# KiCad board raven.kicad_pcb (continued)
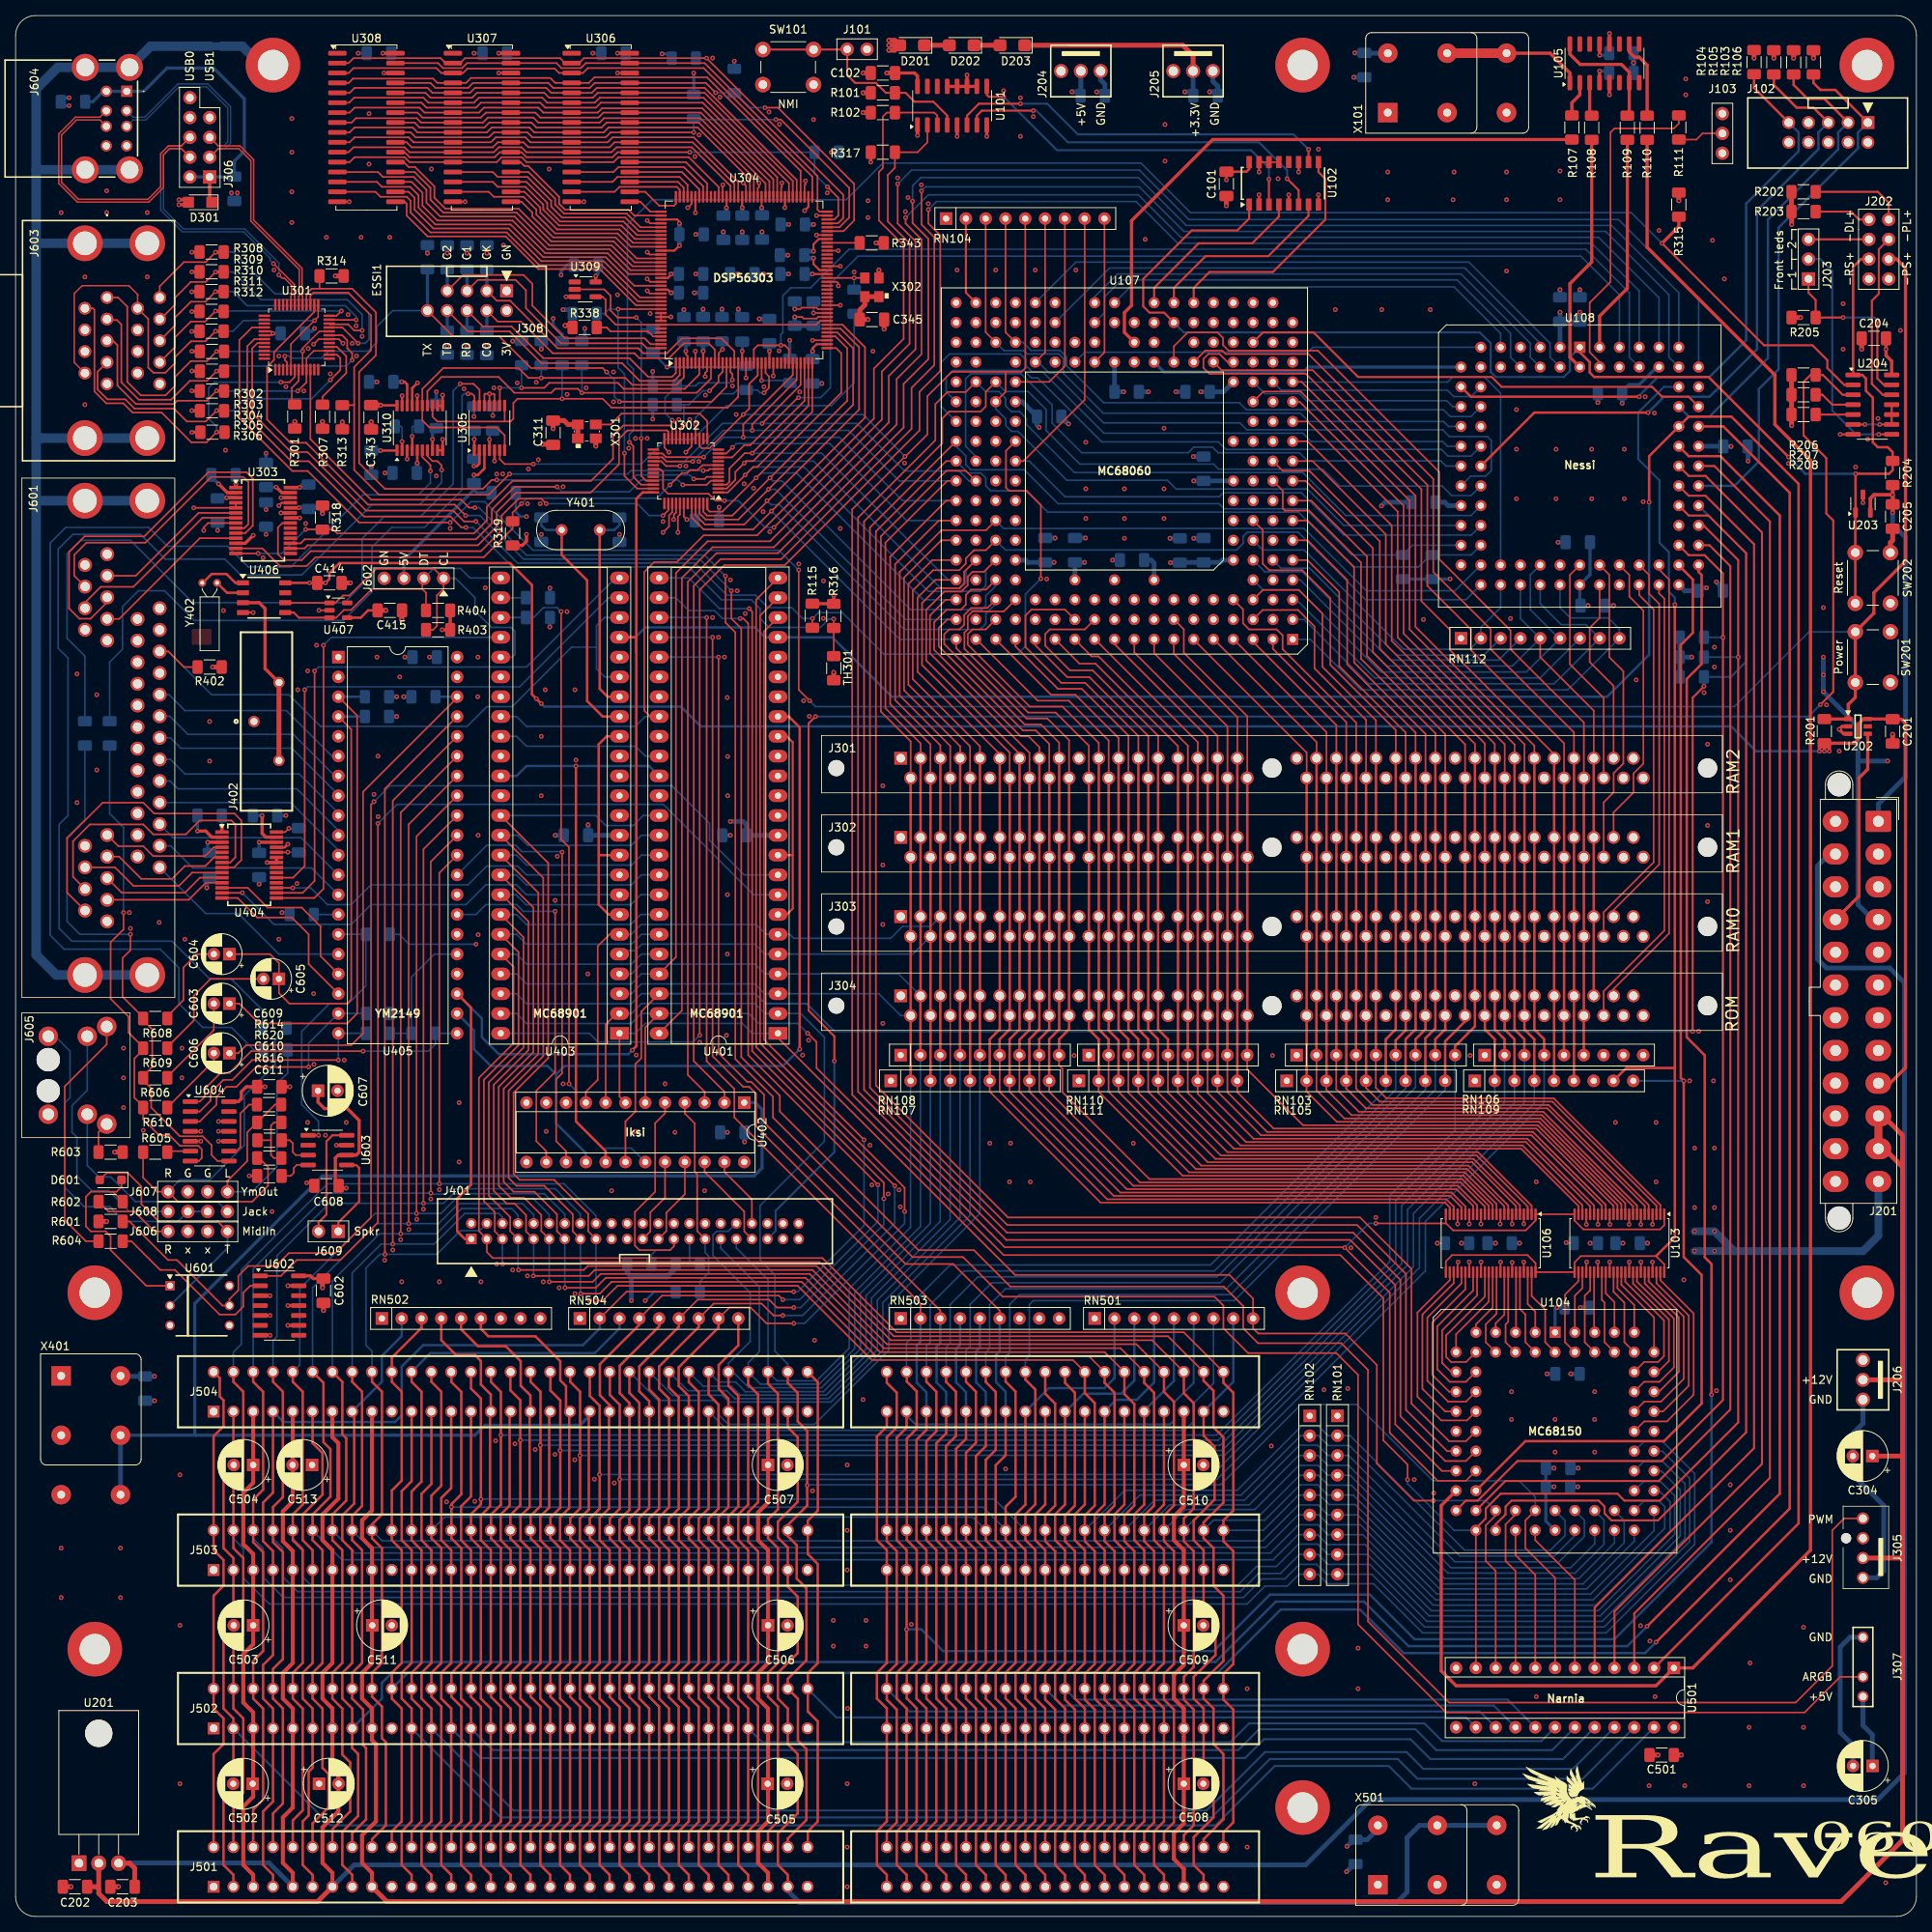
[diagram p0: board, top side]
## Routing (per net, layer and track width the routed paths; a pad name or vN(x,y) marks a point on that pad's centre or on a via; arc(x,y) is an arc through that point) (continued)
  Bottom w0.203: v1(108.84,99.63) 108.84,88.65 100.33,80.14 v1(99.82,80.14)
  Bottom w0.305: J504.4 34.37,63.42 48.67,63.42 49.53,64.29 49.53,70.54 52.27,73.28 72.77,73.28 74.93,75.44 74.93,76.53
IRQ_ISA1: length 198.2
  Top w0.203: v1(114.05,90.42) 114.05,93.47 95.5,112.01 95.5,166.87 U401.23 ; v1(99.82,76.07) 96.33,76.07 94.3,78.11 91.57,78.11 RN504.8
  Top w0.305: RN504.8 90.17,75.54 85.06,70.43 85.06,68.05 86.36,66.75 J504.25 86.36,52.37 85.09,51.1 85.09,48.26 86.36,46.99 J503.25 86.36,32.51 85.09,31.24 85.09,27.94 86.36,26.67 J502.25 86.36,12.19 85.09,10.92 85.09,6.6 86.36,5.33 J501.25
  Bottom w0.203: v1(114.05,90.42) 114.05,88.9 101.22,76.07 v1(99.82,76.07)
IRQ_ISA2: length 201.5
  Top w0.203: v1(98.43,77.09) 97.22,77.09 95.69,78.61 89.53,78.61 RN504.7 ; v1(112.78,93.73) 95,111.51 95,168.91 U401.24
  Top w0.305: J501.24 83.82,5.33 82.55,6.6 82.55,10.92 83.82,12.19 J502.24 83.82,26.67 82.55,27.94 82.55,31.24 83.82,32.51 J503.24 83.82,46.99 82.55,48.26 82.55,51.21 83.82,52.48 J504.24 83.82,66.42 82.55,67.69 82.55,70.54 87.63,75.62 RN504.7
  Bottom w0.203: v1(98.43,77.09) 100.97,77.09 112.78,88.9 v1(112.78,93.73)
IRQ_ISA3: length 210.1
  Top w0.203: v1(99.82,78.11) 97.66,78.11 96.65,79.12 87.5,79.12 RN504.6 ; v1(94.11,167.77) 94.49,167.39 94.49,111 111.38,94.11 v1(111.38,92.08)
  Top w0.305: J501.23 81.28,5.33 80.01,6.6 80.01,10.92 81.28,12.19 J502.23 81.28,26.67 80.01,27.94 80.01,31.24 81.28,32.51 J503.23 81.28,46.99 80.01,48.26 80.01,51.13 81.28,52.4 J504.23 81.28,66.09 80.01,67.36 80.01,70.56 85.09,75.64 RN504.6
  Bottom w0.203: U401.25 86.36,171.7 90.3,167.77 v1(94.11,167.77) ; v1(111.38,92.08) 111.38,88.77 100.71,78.11 v1(99.82,78.11)
IRQ_ISA4: length 211.1
  Top w0.203: v1(110.62,93.85) 93.98,110.49 93.98,165.86 93.34,166.5 v1(92.96,166.5) ; v1(98.43,79.12) 97.92,79.63 82.93,79.63 RN504.4
  Top w0.305: J504.21 76.2,65.61 74.96,66.85 74.96,70.84 80.01,75.9 RN504.4 ; J501.21 76.2,5.33 74.93,6.6 74.93,10.92 76.2,12.19 J502.21 76.2,26.67 74.93,27.94 74.93,31.24 76.2,32.51 J503.21 76.2,46.99 74.93,48.26 74.93,51.13 76.12,52.32 76.12,64.69
  Bottom w0.203: U401.26 84.69,169.16 86.34,167.51 89.66,167.51 90.68,166.5 v1(92.96,166.5) ; v1(98.43,79.12) 100.58,79.12 110.62,89.15 v1(110.62,93.85)
IRQ_ISA5: length 184.1
  Top w0.203: v1(88.65,166.62) 88.65,109.7 92.2,106.15 92.2,102.49 116.08,78.61 RN503.2
  Top w0.305: J501.65 116.84,5.33 115.57,6.6 115.57,10.92 116.84,12.19 J502.65 116.84,26.67 115.57,27.94 115.57,31.24 116.84,32.51 J503.65 116.84,46.99 115.57,48.26 115.57,61.14 116.84,62.41 J504.65
  Bottom w0.203: v1(88.65,166.62) U401.27
  Bottom w0.305: J504.65 116.84,67.23 115.6,68.48 115.6,73.23 116.08,73.71 RN503.2
IRQ_ISA6: length 183.5
  Top w0.203: RN503.3 118.62,77.72 95,101.35 95,105.54 94.11,106.43 93.34,106.43 89.41,110.36 v1(89.41,164.08)
  Top w0.305: J504.66 119.38,61.98 118.11,60.71 118.11,48.26 119.38,46.99 J503.66 119.38,32.51 118.11,31.24 118.11,27.94 119.38,26.67 J502.66 119.38,12.19 118.11,10.92 118.11,6.6 119.38,5.33 J501.66
  Bottom w0.203: v1(89.41,164.08) U401.28
  Bottom w0.305: J504.66 119.38,67.26 118.14,68.5 118.14,73.08 118.62,73.56 RN503.3
IRQ_ISA7: length 188
  Top w0.203: RN503.6 126.24,77.72 120.27,83.69 114.17,83.69 96.01,101.85 96.01,105.41 94.36,107.06 93.85,107.06 90.17,110.74 v1(90.17,161.54)
  Top w0.305: J504.69 127,59.16 125.73,57.89 125.73,48.26 127,46.99 J503.69 127,32.51 125.73,31.24 125.73,27.94 127,26.67 J502.69 127,12.19 125.73,10.92 125.73,6.6 127,5.33 J501.69
  Bottom w0.203: v1(90.17,161.54) U401.29
  Bottom w0.305: RN503.6 126.24,72.52 125.78,72.06 125.78,68.53 127,67.31 J504.69
ISA:A0: length 151.9
  Top w0.305: 101.63,8.86 101.63,10.9 102.9,12.17 102.9,25.02 101.63,26.29 101.63,31.22 102.9,32.49 102.9,45.21 101.63,46.48 101.63,50.77 102.91,52.06 102.91,68.54 101.63,69.82
  Bottom w0.254: J502.62 105.28,25.53 186.05,25.53 U501.14
ISA:ALE: length 171
  Top w0.305: J504.28 93.98,52.83 92.71,51.56 92.71,48.26 93.98,46.99 J503.28 93.98,32.51 92.71,31.24 92.71,27.94 93.98,26.67 J502.28 93.98,12.19 92.71,10.92 92.71,6.6 93.98,5.33 J501.28
  Bottom w0.254: J502.28 95.76,22.35 155.83,22.35 158.24,24.77 180.72,24.77 183,22.49 195.72,22.49 U501.18
ISA:IOCHRDY: length 411.6
  Top w0.305: J501.41 48.26,10.92 49.53,12.19 49.53,26.67 48.26,27.94 J502.41 48.26,31.24 49.53,32.51 49.53,46.99 48.26,48.26 48.26,54.64 49.53,55.91 49.53,67.31 48.26,68.58 J504.41 48.26,71.68 52.07,75.49 RN502.3 ; v1(210.44,35.18) 227.58,52.32 227.58,182.63 219.07,191.14 U108.68
  Bottom w0.305: v1(210.44,35.18) 209.04,33.78 178.05,33.78 172.47,39.37 162.31,39.37 154.18,31.24 50.29,31.24 J502.41
ISA:IOCS16: length 355.8
  Top w0.305: J501.64 114.3,5.33 113.03,6.6 113.03,10.92 114.3,12.19 J502.64 114.3,26.67 113.03,27.94 113.03,31.24 114.3,32.51 J503.64 114.3,46.99 113.03,48.26 113.03,61.42 114.3,62.69 J504.64 ; U108.54 215.9,172.47 216.28,172.09 216.28,160.66 214.38,158.75 214.38,112.78 216.69,110.46 216.69,84.56 217.55,83.69 v1(217.55,66.93)
  Bottom w0.254: RN501.6 151.13,68.45 148.59,65.91 148.59,63.63 148.08,63.12 115.44,63.12 114.3,64.26
  Bottom w0.305: v1(217.55,66.93) 217.55,48.01 205.1,35.56 179.45,35.56 173.74,41.28 160.91,41.28 153.67,34.04 118.98,34.04 116.18,36.83 v1(114.3,36.83)
ISA:RESET: length 259.1
  Top w0.305: J504.2 27.94,60.71 26.67,59.44 26.67,47.24 27.94,45.97 J503.2 27.94,40.13 26.67,38.86 26.67,26.67 27.94,25.4 J502.2 27.94,19.81 26.67,18.54 26.67,6.6 27.94,5.33 J501.2
  Bottom w0.254: U501.23 202.31,16.38 179.07,16.38 176.15,19.3 161.54,19.3 153.92,11.68 40.39,11.68 J502.2
ISA:~{IOR}: length 210.3
  Top w0.305: J501.14 58.42,5.33 57.15,6.6 57.15,10.92 58.42,12.19 J502.14 58.42,26.67 57.15,27.94 57.15,31.24 58.42,32.51 J503.14 58.42,46.99 57.15,48.26 57.15,52.6 58.42,53.87 J504.14
  Bottom w0.254: U501.19 197.1,21.34 182.25,21.34 179.58,24 159.51,24 156.84,21.34 61.21,21.34 J502.14
ISA:~{IOW}: length 216.1
  Top w0.305: J501.13 55.88,5.33 54.61,6.6 54.61,10.92 55.88,12.19 J502.13 55.88,26.67 54.61,27.94 54.61,31.24 55.88,32.51 J503.13 55.88,46.99 54.61,48.26 54.61,53.67 55.88,54.94 J504.13
  Bottom w0.254: U501.20 198.5,20.19 181.48,20.19 178.94,22.73 160.15,22.73 157.73,20.32 59.69,20.32 J502.13
ISA:~{MEMR}: length 126.5
  Top w0.305: 132.08,8.76 132.08,10.8 133.35,12.07 133.35,26.54 132.08,27.81 132.08,31.12 133.35,32.39 133.35,46.86 132.08,48.13 132.08,51.44 133.35,52.71 133.35,65.79 132.08,67.06 132.08,69.72
  Bottom w0.254: J502.89 134.24,27.05 189.61,27.05 U501.16
ISA:~{MEMW}: length 126.5
  Top w0.305: 134.62,69.72 134.62,68.45 135.89,67.18 135.89,52.71 134.62,51.44 134.62,48.13 135.89,46.86 135.89,32.39 134.62,31.12 134.62,27.81 135.89,26.54 135.89,12.07 134.62,10.8 134.62,8.76
  Bottom w0.254: J502.90 136.02,27.81 191.39,27.81 U501.17
ISA:~{NOWS}: length 422.8
  Top w0.305: U108.67 214.63,187.33 218.69,187.33 226.31,179.71 226.31,54.23 v1(209.3,37.21) ; 43.43,64.52 43.43,52.96 41.91,51.44 41.91,48.26 43.18,46.99 J503.8 43.18,32.51 41.91,31.24 41.91,27.94 43.18,26.67 J502.8 43.18,21.59 43.94,20.83 43.94,12.89 41.91,10.86 41.91,6.6 43.18,5.33 J501.8
  Bottom w0.305: RN502.2 49.53,74.45 46.99,71.91 46.99,68.58 J504.8 ; v1(209.3,37.21) 206.76,34.67 178.69,34.67 172.97,40.39 161.67,40.39 153.92,32.64 49.66,32.64 46.99,29.97 46.99,27.94 J502.8
ISA:~{SBHE}: length 144.3
  Top w0.305: 111.76,69.72 111.76,68.45 113.03,67.18 113.03,62.74 111.76,61.47 111.76,48.13 113.03,46.86 113.03,32.39 111.76,31.12 111.76,27.81 113.03,26.54 113.03,12.07 111.76,10.8 111.76,8.76
  Bottom w0.254: J502.81 114.68,26.29 187.83,26.29 U501.15
ISA:~{SMEMR}: length 226.5
  Top w0.305: J504.12 53.34,55.47 52.07,54.2 52.07,48.26 53.34,46.99 J503.12 53.34,32.51 52.07,31.24 52.07,27.94 53.34,26.67 J502.12 53.34,12.19 52.07,10.92 52.07,6.6 53.34,5.33 J501.12
  Bottom w0.254: J502.12 63.88,13.59 152.78,13.59 160.27,21.08 178.44,21.08 180.59,18.92 199.77,18.92 U501.21
ISA:~{SMEMW}: length 232.6
  Top w0.305: J504.11 50.8,55.83 49.53,54.56 49.53,48.26 50.8,46.99 J503.11 50.8,32.51 49.53,31.24 49.53,27.94 50.8,26.67 J502.11 50.8,12.19 49.53,10.92 49.53,6.6 50.8,5.33 J501.11
  Bottom w0.254: U501.22 201.04,17.65 179.83,17.65 177.29,20.19 160.91,20.19 153.42,12.7 62.23,12.7 J502.11
JOY0:BTN1: length 50.4
  Top w0.203: U301.6 35.82,197.49 35.14,196.81 v1(34.04,196.81) ; v1(25.78,190.4) 24.49,189.1 22.54,189.1 18.73,192.91 15.01,192.91 13.82,194.11 11.63,194.11 10.11,195.63 10.11,206.1 9.91,206.29 J603.A6
  Top w0.406: v1(25.78,190.4) R306.2
  Bottom w0.203: v1(25.78,190.4) 25.78,191.14 24.77,192.15 24.77,196.09 25.49,196.81 v1(34.04,196.81)
JOY0:BTN2: length 65.3
  Top w0.178: J603.B6 15.65,207.98 15.7,208.03 14.53,209.19 8.53,209.19 7.52,208.18 7.52,199.35 J603.A9 ; U301.25 38.82,205.19 v1(38.35,204.72) 38.33,204.72 35.32,201.71 U301.5
  Top w0.203: J603.B6 17.02,204.92 17.02,198.68 17.68,198.02 19.2,198.02 20.45,199.26 20.45,200.03 22.48,202.06 24.36,202.06 v1(25.65,203.35)
  Top w0.406: v1(25.65,203.35) R312.2
  Bottom w0.203: 25.78,203.35 27.89,203.35 29.26,204.72 v1(38.35,204.72)
JOY0:DOWN: length 48.4
  Top w0.203: v1(25.78,198.22) 24.54,196.98 22.35,196.98 19.94,194.56 15.8,194.56 13.56,196.8 13.56,204.22 13,204.77 11.86,204.77 ; v1(43.18,199.64) 43.18,200.53 42.54,201.17 42.54,202.18 41.89,202.83 U301.19
  Top w0.406: v1(25.78,198.22) R303.2
  Bottom w0.203: v1(43.18,199.64) 42.42,198.88 26.44,198.88 v1(25.78,198.22)
JOY0:LEFT: length 40.5
  Top w0.178: U301.9 37.32,199.9 38.26,200.83 U301.15
  Top w0.203: v1(36.2,195.68) 37.32,196.8 U301.9 ; v1(25.78,195.71) 24.51,194.44 20.73,194.44 20.3,194.01 15.44,194.01 13.06,196.39 13.06,201.57 12.49,202.14 J603.A3
  Top w0.406: v1(25.78,195.71) 26.72,195.71
  Bottom w0.203: v1(36.2,195.68) 25.85,195.68 25.83,195.71
JOY0:RIGHT: length 43.7
  Top w0.203: U301.14 41.22,200.33 41.66,199.9 41.66,198.37 v1(40.39,197.1) ; v1(25.78,193.17) 24.38,191.77 21.97,191.77 20.32,193.42 15.27,193.42 14.07,194.61 11.79,194.61 10.52,195.88 10.52,198.15 J603.A4
  Top w0.406: v1(25.78,193.17) 26.72,193.17
  Bottom w0.203: v1(40.39,197.1) 37.97,194.69 29.44,194.69 27.89,193.14 25.81,193.14 v1(25.78,193.17)
JOY0:UP: length 47
  Top w0.178: U301.8 v1(36.82,200.79) 36.82,201.18 38.98,203.33 U301.20
  Top w0.203: v1(25.78,200.76) 24.54,199.52 22.48,199.52 20.45,197.49 20.45,196.34 19.23,195.12 16.05,195.12 14.33,196.85 14.33,206.5 13.15,207.68 J603.A1
  Top w0.406: v1(25.78,200.76) R302.2
  Bottom w0.203: v1(36.82,200.79) 36.79,200.76 v1(25.78,200.76)
JOY1:DOWN: length 38.6
  Top w0.203: v1(44.45,203.45) 43.43,203.45 42.65,204.24 40.33,204.24 U301.22 ; 18.6,204.91 20.45,206.76 20.45,207.65 22.48,209.68 24.38,209.68 v1(25.65,210.95)
  Top w0.406: v1(25.65,210.95) 26.67,210.95
  Bottom w0.203: v1(44.45,203.45) 44.45,205.49 42.54,207.39 31.47,207.39 27.91,210.95 25.78,210.95
JOY1:LEFT: length 34.5
  Top w0.203: v1(43.69,204.8) 40.26,204.8 ; J603.B3 20.45,204.09 20.45,205.11 22.48,207.14 24.36,207.14 v1(25.65,208.43)
  Top w0.406: v1(25.65,208.43) R310.2
  Bottom w0.203: v1(43.69,204.8) 43.69,205.23 42.29,206.63 29.69,206.63 27.89,208.43 25.78,208.43
JOY1:RIGHT: length 29.4
  Top w0.203: U301.24 41.17,205.33 v1(41.78,205.94) ; v1(25.65,205.94) 24.31,204.6 22.48,204.6 20.45,202.57 20.45,201.32 J603.B4
  Top w0.406: v1(25.65,205.94) 26.65,205.94
  Bottom w0.203: v1(41.78,205.94) 25.78,205.94
JOY1:UP: length 43.7
  Top w0.203: U301.21 41.91,203.83 v1(43.94,201.8) ; J603.B1 18.49,209.12 21.59,212.22 24.38,212.22 v1(25.65,213.49)
  Top w0.406: v1(25.65,213.49) 26.67,213.49
  Bottom w0.203: v1(43.94,201.8) 44.83,201.8 45.34,202.31 45.34,205.61 42.8,208.15 33.27,208.15 27.91,213.51 25.81,213.51
JTAG_TCK: length 68.5
  Top w0.305: J102.1 233.43,234.32 231.52,234.32 230.63,235.2 R106.2
  Bottom w0.305: J102.1 236.35,228.85 236.35,226.82 226.16,216.64 226.16,198.48 223.62,195.94 223.62,186.64 220.5,183.52 U108.62
JTAG_TDI: length 79.5
  Top w0.305: v1(208.28,194.95) 186.69,194.95 U108.14 ; J102.9 223.01,234.57 R104.2
  Bottom w0.305: J102.9 228.73,228.85 228.73,226.44 222,219.71 222,202.18 217.3,197.49 210.69,197.49 208.28,195.07 v1(208.28,194.95)
JTAG_TDO: length 59.9
  Top w0.305: J102.3 232.03,233.17 229.87,233.17 228.09,234.95 R103.2
  Bottom w0.305: J102.3 233.81,228.85 233.81,226.7 224.79,217.68 224.79,199.9 217.3,192.41 214.63,192.41 U108.71
JTAG_TMS: length 84.8
  Top w0.305: v1(209.42,192.91) 194.82,192.91 U108.23 ; J102.5 230.63,232.03 228.47,232.03 225.55,234.95 R105.2
  Bottom w0.305: J102.5 231.27,228.85 231.27,226.7 223.39,218.82 223.39,201.04 217.3,194.95 211.45,194.95 v1(209.42,192.91)
LPT1:D0: length 25.5
  Bottom w0.203: U405.13 37.97,134.49 22.73,134.49 19.89,137.34 J601.C2
LPT1:D1: length 25.6
  Bottom w0.203: J601.C3 20.21,138.38 36.62,138.38 U405.12
LPT1:D2: length 25.4
  Bottom w0.203: J601.C4 35.3,142.88 41.4,136.78
LPT1:D3: length 25.5
  Bottom w0.203: 41.4,139.32 36.07,144.65 20.83,144.65 19.83,145.65 J601.C5
LPT1:D4: length 25.8
  Bottom w0.203: J601.C6 19.85,148.42 21.72,146.56 36.39,146.56 41.4,141.54
LPT1:D5: length 25.9
  Bottom w0.203: J601.C7 19.88,151.19 21.21,149.86 35.43,149.86 41.4,143.89
LPT1:D6: length 25.6
  Bottom w0.203: J601.C8 19.78,153.96 22.1,151.64 35.62,151.64 40.96,146.3
LPT1:D7: length 26.2
  Bottom w0.203: J601.C9 19.67,156.73 21.72,154.69 34.73,154.69 40.58,148.84 U405.6
LPT1:~{BUSY}: length 82.2
  Top w0.203: J601.C11 19.59,162.27 21.59,160.27 R402.2
  Bottom w0.203: J601.C11 19.59,162.27 25.15,156.72 35.05,156.72 39.12,152.65 57.91,152.65 60.45,155.19 63.7,155.19 71.32,162.81 74.52,162.81 ; 74.52,162.81 74.52,160.05 75.56,159 U403.19 ; 74.52,162.81 74.52,165.58 75.56,166.62 U403.22
LPT1:~{STROBE}: length 27.5
  Bottom w0.203: U405.16 33.78,123.44 28.58,128.65 24.4,128.65 J601.C1
MIDI_IN_R: length 10.5
  Top w0.203: R602.1 11.91,90.42 15.24,90.42 17.78,87.88 J606.1
MIDI_IN_T: length 33.7
  Top w0.203: J606.4 25.91,89.15 18.36,89.15 16.13,91.38 16.13,93.65 14.43,95.35 11.66,95.35 D601.2
  Bottom w0.254: J606.4 27.18,85.73 U601.2
MIDI_OUT_R: length 4
  Top w0.203: J605.2A 10.64,100.6 R603.1
MIDI_OUT_T: length 32.5
  Top w0.203: J605.5A 11.69,111.87 6.3,106.48 6.3,89.33 9.02,86.61 R604.2
MIDI_RX: length 154.7
  Top w0.203: R601.1 14.6,89.15 19.56,84.2 20.7,84.2 26.54,78.36 U601.5 27.43,79.18 28.58,80.33 28.58,82.17 29.84,83.44 33.4,83.44 35.05,85.09 41.02,85.09 45.59,89.66 45.59,142.62 v1(45.97,143)
  Bottom w0.203: v1(45.97,143) 48.01,145.03 84.2,145.03 89.03,140.21 89.03,138.05 93.47,133.6 U401.9
MIDI_TX: length 126.3
  Top w0.203: U602.1 34.04,82.17 36.07,84.2 41.66,84.2 46.48,89.03 v1(46.48,140.21)
  Bottom w0.203: U401.8 94.68,131.06 83.08,142.66 48.93,142.66 v1(46.48,140.21)
PA0: length 19.8
  Top w0.203: U501.6 200.03,43.18 194.94,48.26 U104.33
PA1: length 282.1
  Top w0.203: U501.7 197.48,43.43 193.67,47.24 193.67,50.8 U104.34 ; 77.09,115.82 75.69,114.43 U402.8
  Top w0.305: J504.61 99.06,68.43 100.33,67.16 100.33,63.5 101.55,62.28 101.55,52.71 99.06,50.22 J503.61 99.06,48.77 100.2,47.63 100.2,43.33 101.45,42.09 101.45,32.87 99.06,30.48 J502.61 100.36,27.91 100.36,22.56 101.45,21.46 101.45,12.37 99.06,9.98 J501.61
  Bottom w0.203: v1(101.55,55.3) 101.63,55.37 154.58,55.37 164.9,65.68 172.01,65.68 181.81,55.88 192.89,55.88 194.94,53.82 U104.34 ; U403.2 79,115.82 80.29,117.11 94.84,117.11 96.13,115.82 U401.2 100.71,115.82 103.76,112.78 103.76,99.44 95.5,91.19 95.5,84.2 97.41,82.3 97.41,72.52 99.06,70.87 J504.61
PCLK: length 77.3
  Top w0.406: U107.R09 142.24,203.2 142.24,205.74 143.15,206.65 143.15,217.53 153.57,227.94 R107.1
PD16: length 305.4
  Top w0.203: v1(74.42,78.99) 75.31,78.99 77.22,80.9 100.33,80.9 109.85,71.37 135.64,71.37 J504.91 ; J401.17 73.46,87.9 73.46,90.12 69.09,94.49 64.64,94.49 63.88,95.25 63.88,105.66 68.33,110.11 68.33,135.13 U403.37
  Top w0.305: 137.16,69.72 137.16,67.13 138.43,65.86 138.43,52.71 137.16,51.44 137.16,48.13 138.43,46.86 138.43,32.39 137.16,31.12 137.16,27.81 138.43,26.54 138.43,12.07 137.16,10.8 137.16,8.76
  Bottom w0.203: U401.37 80.52,141.22 79.24,139.94 75.7,139.94 74.42,141.22 U403.37 ; J503.91 142.29,54.66 156.72,54.66 164.95,62.89 167.13,62.89 168.35,61.67 RN101.2 171.2,61.67 185.88,46.99 196.9,46.99 198.75,48.84 198.75,50.77 197.48,52.04 ; v1(74.42,78.99) 74.45,79.03 J401.17
PD17: length 300.4
  Top w0.203: U403.38 67.69,133.22 67.69,110.36 63.25,105.92 63.25,94.74 64.26,93.73 67.82,93.73 71.48,90.07 71.48,87.88 J401.15 ; J504.92 137.67,71.88 110.36,71.88 100.84,81.41 76.45,81.41 74.93,79.88 v1(72.52,79.88)
  Top w0.305: 139.7,8.76 139.7,10.8 140.97,12.07 140.97,26.54 139.7,27.81 139.7,31.12 140.97,32.39 140.97,46.86 139.7,48.13 139.7,51.44 140.97,52.71 140.97,67.18 139.7,68.45 139.7,69.72
  Bottom w0.203: 200.03,49.5 200.03,48.86 197.4,46.23 185.27,46.23 171.09,60.4 168.4,60.4 167.13,61.67 RN102.2 164.85,61.67 157.23,54.05 144.22,54.05 J503.92 ; v1(72.52,79.88) 72.45,79.95 J401.15 ; U401.38 80.27,138.68 78.99,137.4 65.67,137.4 64.39,138.68 U403.38
PD18: length 301.8
  Top w0.203: v1(70.49,80.65) 74.42,80.65 75.69,81.92 101.35,81.92 110.87,72.39 139.7,72.39 J504.93 ; U403.39 67.06,131.32 67.06,110.62 62.61,106.17 62.61,94.23 63.88,92.96 66.55,92.96 69.44,90.07 69.44,87.91 J401.13
  Top w0.305: 142.24,69.72 142.24,67.01 143.51,65.74 143.51,52.71 142.24,51.44 142.24,48.13 143.51,46.86 143.51,32.39 142.24,31.12 142.24,27.81 143.51,26.54 143.51,12.07 142.24,10.8 142.24,8.76
  Bottom w0.203: v1(70.49,80.65) 70.45,80.68 J401.13 ; 200.03,52.04 201.24,50.83 201.24,48.74 197.99,45.49 184.63,45.49 170.99,59.13 RN101.3 168.35,59.13 167.03,60.45 164.69,60.45 157.63,53.39 146.1,53.39 J503.93 ; U401.39 80.29,136.14 79.01,134.86 65.54,134.86 64.26,136.14 U403.39
PD19: length 297.6
  Top w0.203: v1(68.45,81.41) 74.04,81.41 75.06,82.42 101.85,82.42 111.38,72.9 141.73,72.9 J504.94 ; J401.11 67.44,87.92 67.44,89.98 65.21,92.2 63.5,92.2 61.98,93.73 61.98,106.43 66.42,110.87 66.42,129.41 U403.40
  Top w0.305: 144.78,8.76 144.78,10.8 146.05,12.07 146.05,26.54 144.78,27.81 144.78,31.12 146.05,32.39 146.05,46.86 144.78,48.13 144.78,51.44 146.05,52.71 146.05,67.18 144.78,68.45 144.78,69.72
  Bottom w0.203: U401.40 80.27,133.6 78.99,132.32 65.54,132.32 64.26,133.6 U403.40 ; J503.94 148.03,52.78 158.24,52.78 164.59,59.13 RN102.3 167.08,59.13 168.35,57.86 170.99,57.86 184.12,44.73 199.49,44.73 202.56,47.8 202.56,49.5 ; v1(68.45,81.41) J401.11
PD20: length 298.9
  Top w0.203: J401.9 65.48,87.87 65.48,89.97 64.01,91.44 62.99,91.44 61.34,93.09 61.34,106.68 65.79,111.13 65.79,127.64 62.36,131.06 ; J504.95 143.76,73.41 111.76,73.41 102.23,82.93 74.29,82.93 73.53,82.17 v1(66.42,82.17)
  Top w0.305: 147.32,8.76 147.32,10.8 148.59,12.07 148.59,26.54 147.32,27.81 147.32,31.12 148.59,32.39 148.59,46.86 147.32,48.13 147.32,51.44 148.59,52.71 148.59,66.01 147.32,67.28 147.32,69.72
  Bottom w0.203: U401.41 80.21,131.06 78.93,129.78 65.48,129.78 64.2,131.06 U403.41 ; v1(66.42,82.17) 66.45,82.2 J401.9 ; 147.35,49.53 150.01,52.2 158.98,52.2 164.64,57.86 167.08,57.86 168.35,56.59 RN101.4 171.2,56.59 183.74,44.04 200.05,44.04 203.76,47.75 203.76,50.85 202.56,52.04
PD21: length 294
  Top w0.203: J401.7 63.45,87.9 63.45,89.71 60.71,92.46 60.71,107 65.15,111.44 65.15,125.6 U403.42 ; J504.96 145.8,73.91 112.27,73.91 102.74,83.44 73.41,83.44 72.9,82.93 v1(64.52,82.93)
  Top w0.305: 149.86,69.72 149.86,67.12 151.13,65.85 151.13,52.32 149.86,51.05 149.86,48.13 151.13,46.86 151.13,32 149.86,30.73 149.86,27.81 151.13,26.54 151.13,11.68 149.86,10.41 149.86,8.76
  Bottom w0.203: U401.42 80.19,128.52 78.91,127.24 65.54,127.24 64.26,128.52 U403.42 ; J401.7 64.45,82.99 v1(64.52,82.93) ; 149.86,49.56 151.87,51.56 159.72,51.56 164.74,56.59 RN102.4 167.13,56.59 168.4,55.32 171.35,55.32 183.31,43.36 200.56,43.36 205.1,47.9 205.1,49.5
PD22: length 299
  Top w0.203: J401.5 61.47,87.89 61.47,90.36 60.07,91.76 60.07,107.32 64.52,111.76 64.52,123.7 U403.43 ; J504.97 147.83,74.42 112.65,74.42 103.12,83.95 72.64,83.95 72.39,83.69 v1(62.48,83.69)
  Top w0.305: 152.4,69.72 152.4,68.71 153.67,67.44 153.67,62.74 154.94,61.47 154.94,53.09 152.4,50.55 J503.97 152.4,48.51 153.67,47.24 153.67,42.42 154.94,41.15 154.94,32.77 152.4,30.23 J502.97 152.4,27.94 153.67,26.67 153.67,22.1 154.94,20.83 154.94,12.45 152.4,9.91 152.4,8.76
  Bottom w0.203: U403.43 64.26,125.98 65.52,124.73 79.03,124.73 80.29,125.98 U401.43 ; v1(62.48,83.69) 62.45,83.72 J401.5 ; 205.1,52.04 206.35,50.8 206.35,47.93 201.07,42.65 183.01,42.65 171.6,54.05 RN101.5 168.35,54.05 167.03,55.37 164.8,55.37 160.25,50.83 153.67,50.83 152.4,49.56
PD23: length 291
  Top w0.203: U403.44 63.88,121.79 63.88,112.01 59.44,107.57 59.44,87.92 J401.3 60.45,85.22 61.21,84.46 103.5,84.46 113.03,74.93 149.86,74.93 J504.98
  Top w0.305: 154.94,8.76 154.94,10.8 156.21,12.07 156.21,26.54 154.94,27.81 154.94,31.12 156.21,32.39 156.21,46.86 154.94,48.13 154.94,50.8 156.21,52.07 156.21,67.18 154.94,68.45 154.94,69.72
  Bottom w0.203: U403.44 64.26,123.44 65.54,122.16 78.99,122.16 80.27,123.44 U401.44 ; J503.98 160.07,49.53 164.59,54.05 RN102.5 167.28,54.05 168.5,52.83 171.86,52.83 182.68,42.01 201.52,42.01 207.64,48.13 207.64,49.5
PD24: length 346.5
  Top w0.203: U405.37 47.37,144.65 47.37,85.32 47.38,85.31 v1(47.38,84.93)
  Top w0.305: J504.40 45.72,68.58 46.99,67.31 46.99,51.56 45.72,50.29 45.72,48.51 46.99,47.24 46.99,32.51 45.72,31.24 J502.40 45.72,28.19 46.99,26.92 46.99,22.86 47.5,22.35 47.5,11.68 45.72,9.91 J501.40
  Bottom w0.203: 210.19,52.04 210.19,49.48 202.06,41.35 182.32,41.35 172.16,51.51 RN101.6 168.35,51.51 167.08,52.78 164.59,52.78 159.99,48.18 47.04,48.18 45.72,49.5 ; J401.4 59.52,87.97 57.06,87.97 54.03,84.94 47.39,84.94 v1(47.38,84.93) 47.37,84.94 46.71,84.94 44.96,83.19 44.96,73.25 45.72,72.49 J504.40
PD25: length 356
  Top w0.203: v1(48.39,86.24) 48.39,143.13 U405.36
  Top w0.305: J504.39 43.18,68.58 44.45,67.31 44.45,52.65 43.18,51.38 43.18,48.26 44.45,46.99 44.45,32.51 43.18,31.24 J502.39 43.18,27.94 44.58,26.54 44.58,21.97 44.96,21.59 44.96,12.45 43.18,10.67 J501.39
  Bottom w0.203: 43.18,49.5 45.34,47.35 160.38,47.35 164.54,51.51 RN102.6 167.18,51.51 168.45,50.24 172.52,50.24 182.14,40.61 202.39,40.61 211.56,49.78 211.56,52.55 210.82,53.29 208.89,53.29 207.64,52.04 ; J504.39 43.18,82.55 46.87,86.24 v1(48.39,86.24) 48.4,86.26 53.7,86.26 57.61,90.17 61.98,90.17 62.45,89.69 J401.6
PD26: length 359.3
  Top w0.203: U405.35 49.4,141.61 v1(49.4,87.56)
  Top w0.305: J504.38 41.91,68.58 41.91,61.86 42.42,61.35 42.42,53.34 40.64,51.56 40.64,48.26 41.91,46.99 41.91,32.51 40.64,31.24 J502.38 40.64,27.94 41.91,26.67 41.91,20.76 42.93,19.75 42.93,13.46 40.64,11.18 J501.38
  Bottom w0.203: J401.8 64.45,89.98 63.63,90.81 57.2,90.81 53.96,87.56 v1(49.4,87.56) 46.67,87.56 40.64,81.53 J504.38 ; 210.19,54.58 210.85,54.58 212.24,53.19 212.24,49.43 202.74,39.93 181.86,39.93 172.82,48.97 RN101.7 168.35,48.97 167.08,50.24 164.59,50.24 160.96,46.61 43.54,46.61 40.64,49.5
PD27: length 368
  Top w0.203: U405.34 50.42,140.08 v1(50.42,88.87)
  Top w0.305: J501.37 38.1,11.94 40.13,13.97 40.13,18.29 39.37,19.05 39.37,26.67 38.1,27.94 J502.37 38.1,31.24 39.37,32.51 39.37,46.99 38.1,48.26 38.1,51.56 40.39,53.85 40.39,59.94 39.5,60.83 39.5,68.45 J504.37
  Bottom w0.203: 38.1,49.5 41.86,45.75 161.32,45.75 164.54,48.97 RN102.7 167.03,48.97 168.3,47.7 173.13,47.7 181.61,39.22 203.02,39.22 212.83,49.02 212.83,53.98 211,55.8 208.86,55.8 207.64,54.58 ; J401.10 66.45,90.01 65.02,91.44 56.82,91.44 54.25,88.87 v1(50.42,88.87) 46.33,88.87 38.1,80.65 J504.37
PD28: length 373.8
  Top w0.203: U405.33 51.43,138.56 v1(51.43,90.18)
  Top w0.305: J504.36 35.56,68.58 36.83,67.31 36.83,52.83 35.56,51.56 35.56,48.26 36.83,46.99 36.83,32.51 35.56,31.24 J502.36 35.56,27.94 36.83,26.67 36.83,13.59 35.56,12.32 J501.36
  Bottom w0.203: J401.12 68.45,90.03 66.41,92.08 56.46,92.08 54.56,90.17 51.44,90.17 v1(51.43,90.18) 46.11,90.18 36.45,80.52 36.45,70.74 J504.36 ; 210.19,57.12 211.12,57.12 213.54,54.71 213.54,48.82 203.28,38.56 181.32,38.56 173.44,46.43 RN101.8 168.35,46.43 167.03,47.75 164.59,47.75 161.73,44.89 159.19,44.89 156.79,42.49 37.9,42.49 36.8,43.59 36.8,47.24 35.56,48.49 J503.36
PD29: length 385.6
  Top w0.203: v1(52.32,91.48) 52.32,136.91 U405.32
  Top w0.305: J501.35 33.02,13.21 34.29,14.48 34.29,26.67 33.02,27.94 J502.35 33.02,31.75 34.29,33.02 34.29,46.74 33.02,48.01 33.02,52.51 34.29,53.78 34.29,67.31 33.02,68.58 J504.35
  Bottom w0.203: J504.35 33.02,73.86 33.53,74.37 33.53,84.76 40.24,91.48 v1(52.32,91.48) 54.9,91.48 56.13,92.71 67.82,92.71 70.45,90.08 J401.14 ; 207.64,57.12 208.86,58.34 211.3,58.34 214.15,55.5 214.15,48.46 203.53,37.85 181.05,37.85 173.74,45.16 168.35,45.16 167.08,46.43 RN102.8 164.69,46.43 162.26,43.99 159.44,43.99 157.1,41.66 36.17,41.66 34.26,43.56 34.26,47.22 33.02,48.46 J503.35
PD30: length 387.8
  Top w0.203: v1(53.26,92.78) 53.26,92.79 53.26,135.3 U405.31
  Top w0.305: J504.34 30.48,68.58 31.75,67.31 31.75,54.74 30.48,53.47 30.48,48.01 31.75,46.74 31.75,34.04 30.48,32.77 J502.34 30.48,27.94 31.75,26.67 31.75,14.99 30.48,13.72 J501.34
  Bottom w0.203: J504.34 30.48,83.06 40.2,92.78 v1(53.26,92.78) 53.37,92.67 55.11,92.67 55.78,93.35 69.22,93.35 72.45,90.11 J401.16 ; 210.19,59.66 211.28,59.66 214.76,56.18 214.76,48.11 203.78,37.13 180.75,37.13 173.99,43.89 RN101.9 168.2,43.89 166.93,45.16 164.69,45.16 162.83,43.29 159.88,43.29 157.51,40.92 34.34,40.92 31.75,43.51 31.75,47.19 30.48,48.46 J503.34
